# Altium PCB MB1364.PcbDoc (part 2 of 2)
Units mil, origin at the board's own origin, x right, y up, seen from the top; angles counter-clockwise.
Board outline 2755.91 x 5249.61 mil, 6 copper layers (Top Layer, Signal Layer 1, Signal Layer 2, Signal Layer 3, Signal Layer 4, Bottom Layer), stack 61.818 mil thick; 57 components, 135 nets, 293 pads, 247 vias.
Unrouted connection lines stored in the file: 2.
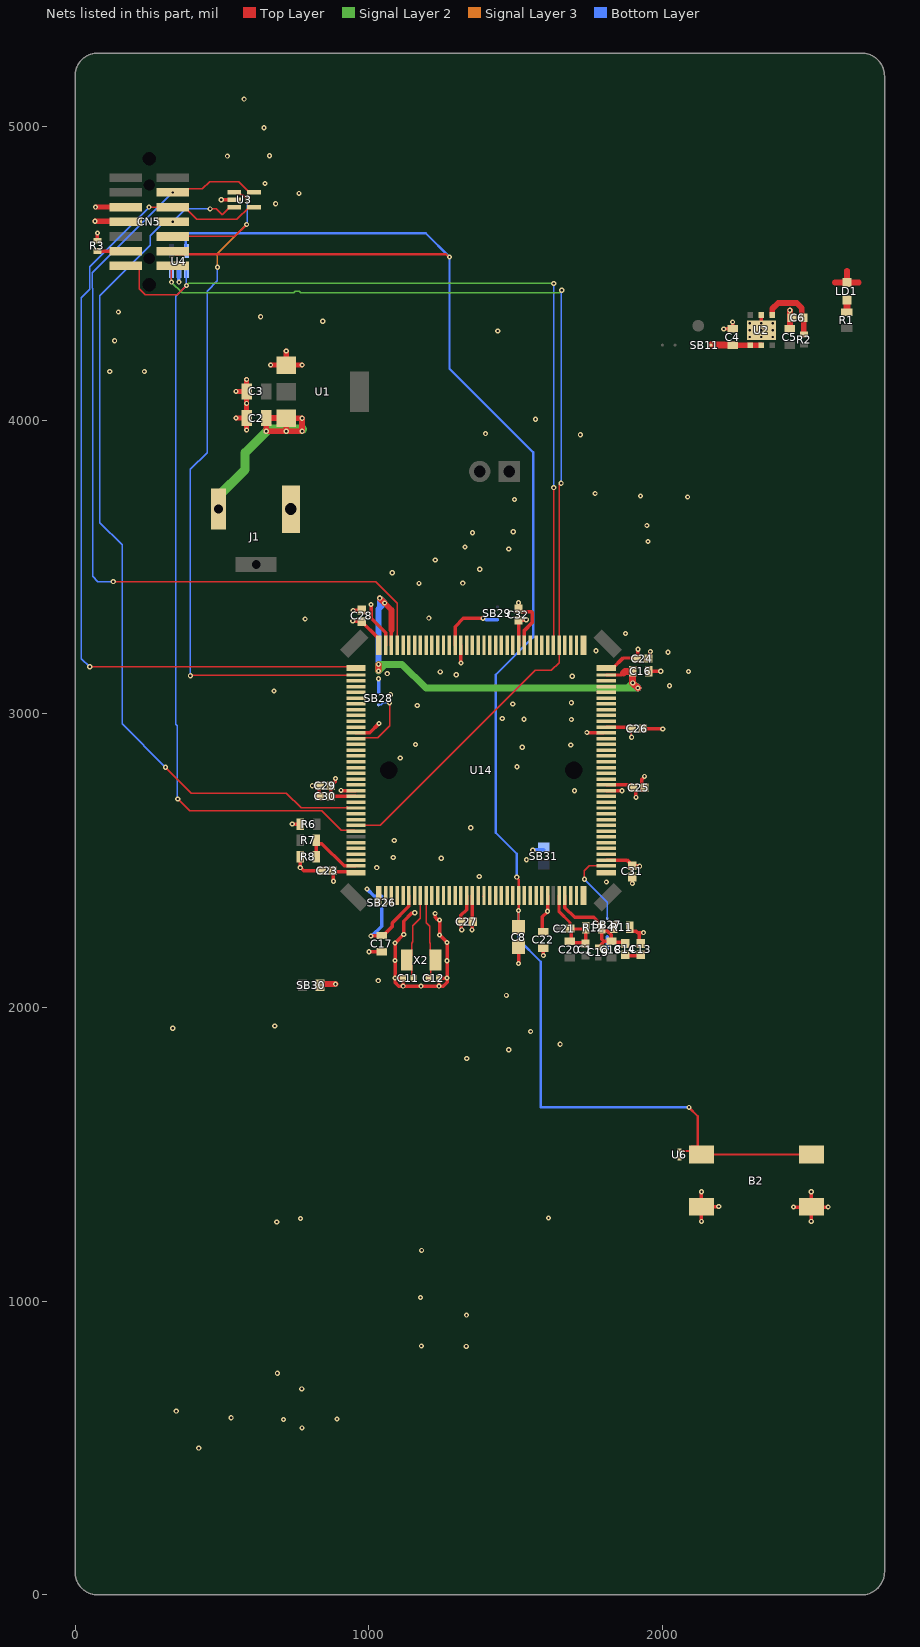
[diagram p5: the nets of this part, all layers, seen from the top]

## Via types
v1: diameter 17.72, hole 7.87, Top Layer to Bottom Layer, tented both sides, 247 vias

## Nets (pads, with @x,y where several pads share a name; then routed paths per layer and width w, separated by ;. In a path a pad name is that pad's centre, name@x,y a point inside that pad or via, vN(x,y) a via of type N, cw(c..) or ccw(c..) an arc to the next point about the centre after c; other vN are vias at no path point) (continued)
GND: B2.3 B2.4 C2.1 C3.1 C4.1 C5.1 C6.1 C8.1 C11.2 C12.2 C13.1 C14.1 C16.1 C17.1 C22.1 C23.1 C24.1 C25.1 C26.1 C27.1 C28.1 C29.1 C30.1 C31.1 C32.1 CN5.5 CN5.7 J1.1 LD1.2 R3.1 R6.2 R8.2 SB27.2 SB31.1 U1.1 U2.2 U2.EP U3.2 U4.2 U6.2 U14.16 U14.51 U14.61 U14.83 U14.94 U14.107 U14.120 U14.130 | length 3654.9
  Top Layer w11.81: R3.1@76.42,4610.39 v1(76.42,4636.96) ; v1(497.68,4750.15) U3.2@541.97,4750.15 ; v1(739.83,2624.65) R6.2@767.39,2624.65 ; R8.2@766.73,2513.78 v1(766.73,2476.38) 768.33,2476.38 778.71,2466 C23.1@834.2,2466 ; v1(808.07,2754.92) C29.1@832.09,2754.92 832.09,2720.08 C30.1@833.66,2718.5 ; v1(905.51,2739.17) 906.34,2738.34 U14.130@956.34,2738.34 ; v1(946.85,3351.38) 947.64,3352.17 975.59,3352.17 C28.1@976.38,3351.38 ; U14.120@956.34,2935.19 1003.19,2935.19 v1(1035,2967) ; v1(1000.98,2189.96) C17.1@1044.29,2189.96 ; v1(1007.87,3372.05) 1008.27,3371.65 1008.27,3324.98 1057.72,3275.53 U14.107@1057.72,3233.42 ; v1(1156.5,2322.83) 1155.37,2321.7 1146.44,2321.7 1118.9,2294.17 v1(1118.9,2248.82) v1(1089.57,2219.49) v1(1089.57,2159.94) v1(1089.57,2100.39) ; v1(1226,2320.03) 1226,2307.46 1234.11,2299.36 1240.01,2299.36 v1(1241.14,2298.23) v1(1241.14,2247.05) v1(1266.73,2221.46) v1(1266.73,2159.45) v1(1266.73,2100.39) ; C27.1@1313.88,2303.25 1313.88,2313.88 1333.31,2333.31 U14.16@1333.31,2381.06 ; v1(1314,3173) 1313.62,3173.38 U14.94@1313.62,3233.42 U14.94@1314,3233.42 ; v1(1316.34,2264.37) 1315.55,2265.16 1315.55,2291.93 C27.1@1323.82,2300.2 ; v1(1510,2150) 1510,2193.7 C8.1@1514.91,2198.61 ; v1(1510,3378) 1509.92,3377.92 1509.92,3356.18 1509.84,3356.1 1518.11,3347.83 1554.17,3347.83 1556.18,3345.82 1556.18,3311.7 1555.91,3311.42 1555.91,3309.36 1530.16,3283.62 U14.83@1530.16,3233.42 ; v1(1594.59,2176.81) C22.1@1594.59,2202.4 ; v1(1742.66,2936.08) U14.61@1799.84,2936.08 ; U14.51@1808.7,2738.34 1862.05,2738.34 v1(1862.2,2738.19) ; 1888.78,2176.96 C13.1@1924.21,2176.96 ; v1(1897.64,2422.24) C31.1@1897.64,2444.29 ; C25.1@1928.72,2742 1928.72,2775.12 1939,2785.4 v1(1939,2787) ; C26.1@1931.89,2949.02 1932,2948.9 2000.1,2948.9 v1(2001,2948) ; C24.1@1950.6,3188.19 1957.74,3195.33 1957.74,3210.68 v1(1958.87,3211.81) ; C16.1@1953.74,3144.68 v1(1994.09,3144.68) ; v1(2132.79,1271.89) B2.3@2132.79,1322.37 ; v1(2132.79,1372.85) B2.3@2132.79,1322.37 ; v1(2191.56,1322.37) B2.3@2132.79,1322.37 ; v1(2208.31,4310.19) C4.1@2238.82,4310.19 v1(2238.82,4333.81) ; v1(2336.26,4329.88) 2336.54,4330.15 U2.2@2336.54,4357.32 ; v1(2446.31,1320.65) 2505.08,1320.65 B2.4@2506.8,1322.37 v1(2506.8,1372.85) ; v1(2506.8,1271.89) 2506.8,1320.65 v1(2563.85,1320.65) ; v1(1089.57,2100.39) 1089.57,2085.63 1102.36,2072.83 v1(1117.13,2072.83) ; v1(1089.57,2100.39) C11.2@1117.13,2100.39 v1(1117.13,2072.83) ; v1(1117.13,2072.83) v1(1178.15,2072.83) v1(1239.17,2072.83) ; v1(1239.17,2072.83) C12.2@1239.17,2100.39 v1(1266.73,2100.39) ; v1(1239.17,2072.83) 1253.94,2072.83 1266.73,2085.63 v1(1266.73,2100.39)
  Top Layer w17.72: v1(68,4677) 170.75,4677 CN5.7@172.8,4674.96 ; v1(70,4725) 172.75,4725 CN5.5@172.8,4724.96 ; v1(547.87,4007.04) 584.1,4007.04 C2.1@584.29,4006.85 ; v1(547.87,4097.59) 584.1,4097.59 C3.1@584.29,4097.4 ; v1(584.29,3966.31) C2.1@584.29,4006.85 ; v1(584.29,4137.95) C3.1@584.29,4097.4 ; v1(665.98,4187.16) U1.1@719.13,4187.16 ; v1(719.13,4235.39) U1.1@719.13,4187.16 ; v1(773.27,4187.16) U1.1@719.13,4187.16 ; C2.1@584.29,4006.85 v1(584.29,4056.86) C3.1@584.29,4097.4
  Top Layer w19.68: C5.1@2433.7,4310.19 v1(2433.7,4374.17) ; 2587.44,4467.99 LD1.2@2627.8,4467.99 ; 2627.8,4508.34 LD1.2@2627.8,4467.99 ; 2668.15,4467.99 LD1.2@2627.8,4467.99
  Bottom Layer w11.81: v1(353.98,4469.64) U4.2@353.98,4508.03 ; v1(1558.07,2535.43) 1559.2,2536.56 SB31.1@1595.33,2536.56 ; v1(1807.66,2197.49) 1808.79,2198.62 1810.76,2198.62 1811.59,2199.46 1811.59,2240.8
  other v1: 421.26,500 772.64,568.9 709.65,597.44 891.73,599.41 531.5,603.35 344.49,625.98 771.65,701.77 688.98,754.92 1331.69,846.46 1179.13,847.44 1332.68,952.76 1176.18,1012.8 1180.12,1173.23 687.01,1269.68 767.72,1281.5 1612.2,1283.46 1333.66,1826.77 1476.38,1856.3 1651.57,1875 1551.18,1918.31 332.68,1929.13 680.12,1937.01 1468.5,2041.34 1032.48,2091.54 1809.06,2427.17 1375.98,2445.87 1027.56,2476.38 1537.4,2502.95 1247.05,2507.87 1083.66,2510.83 1086.61,2568.9 1347.44,2612.2 1700.79,2738.19 1504.92,2819.88 1107.28,2849.41 1522.64,2885.83 1687.99,2893.7 1159.45,2895.67 1528.54,2981.3 1689.96,2980.32 1454.72,2984.25 1165.35,3028.54 1490.16,3033.46 1689.96,3037.4 1073.82,3064.96 677.17,3077.76 2023.62,3095.47 1692.91,3127.95 1298.23,3132.87 1062.99,3136.81 1243.11,3142.72 2088.58,3143.7 2018.7,3209.65 1773.62,3214.57 1874.02,3273.62 783.46,3322.83 1204.72,3325.79 1171.26,3443.9 1319.88,3444.88 1079.72,3480.32 1377.95,3492.13 1226.38,3523.62 1476.38,3561.02 1327.76,3567.91 1950.79,3586.61 1353.35,3616.14 1492.13,3620.08 1946.85,3640.75 1496.06,3729.33 2085.63,3738.19 1925.2,3741.14 1770.67,3750 1720.47,3949.8 1397.64,3953.74 1568,4003 118.11,4165.35 236.22,4165.35 134.84,4269.68 2296.89,4282.63 2336.26,4282.63 2375.63,4282.63 1438.98,4303.15 2296.89,4306.25 2336.54,4306.14 2375.63,4306.25 2296.89,4329.88 2375.63,4329.88 843.5,4336.61 631.89,4351.38 147.64,4368.11 683.07,4736.22 762.8,4771.65 646.65,4805.12 518.7,4898.62 662.4,4899.61 643.7,4995.08 575.79,5092.52
GNDDetect: CN5.11 R3.2 | length 96.4
  Top Layer w11.81: R3.2@76.42,4574.96 CN5.11@172.8,4574.96
IOREF: 
NetC4_2: C4.2 SB11.1 U2.4 U2.5 | length 171.6
  Top Layer w17.72: C4.2@2238.82,4255.07 2238.88,4255.01 2299.13,4255.01 U2.4@2299.13,4254.96 U2.5@2336.54,4254.96
  Top Layer w23.62: SB11.1@2165,4255.07 C4.2@2238.82,4255.07
NetC6_2: C6.2 R2.1 U2.1 | length 232.1
  Top Layer w19.68: U2.1@2373.94,4357.32 2373.94,4378.94 2393.85,4398.85 2457.15,4398.85 2474.17,4381.83 2474.17,4352.33 2480.65,4345.86 2480.65,4291.91 R2.1@2483,4291.91
NetLD1_1: LD1.1 R1.1 | length 41.3
  Top Layer w23.62: R1.1@2627.8,4367.59 LD1.1@2627.8,4408.93
NetR7_1: R7.1 R8.1 U14.143 | length 227.8
  Top Layer w11.81: R8.1@821.85,2513.78 R7.1@821.85,2568.9 821.85,2564.9 828.54,2558.21 840.35,2558.21 916.13,2482.44 U14.143@956.34,2482.44
NetSB27_1: SB27.1 U14.38 | length 275.9
  Top Layer w5: v1(1734.25,2437.01) 1734.25,2465.25 1751.44,2482.44 U14.38@1808.7,2482.44
  Bottom Layer w5: v1(1734.25,2437.01) 1812.01,2359.25 SB27.1@1812.01,2303.15
NetSB28_2: SB28.2 U14.121 | length 250.7
  Top Layer w5: U14.121@956.34,2915.51 959.75,2918.91 1029.91,2918.91 1070.87,2959.87 v1(1070.87,3037.4)
  Bottom Layer w5: SB28.2@1033.46,3030.51 1034.42,3031.47 1042.15,3031.47 1048.08,3037.4 v1(1070.87,3037.4)
NetSB29_2: SB29.2 U14.95 | length 220.7
  Top Layer w11.81: U14.95@1293.94,3233.42 1293.94,3296.94 1321.8,3324.8 v1(1388.78,3324.8)
  Bottom Layer w11.81: v1(1388.78,3324.8) 1389.91,3323.67 1397.78,3323.67 1400.59,3320.87 SB29.2@1437.99,3320.87
NRST: B2.1 B2.2 C8.2 CN5.12 U4.5 U6.1 U14.25 | length 6288.8
  Top Layer w5: B2.1@2120,1526.96 2098.3,1526.96 2113.41,1511.84 B2.1@2125.72,1499.54
  Top Layer w7.87: CN5.12@332.8,4574.96 343.43,4564.33 1263.01,4564.33 1272.34,4555 v1(1275,4555) ; v1(1503.94,2443.9) 1503.94,2441.23 1510.47,2434.7 U14.25@1510.47,2381.06 1510.24,2380.82 1510.24,2330.24 v1(1510,2330) C8.2@1510,2276.89 ; U6.1@2057.8,1511.84 2113.41,1511.84 2120.48,1511.84 B2.1@2132.79,1499.54 B2.2@2506.8,1499.54 ; v1(2090,1660) 2120,1630 B2.1@2120,1526.96
  Bottom Layer w7.87: U4.5@379.57,4574.96 376.89,4577.63 376.89,4629.58 383.47,4636.16 1193.84,4636.16 v1(1275,4555) 1275,4175 1560,3890 1560,3260.96 1432.28,3133.24 1432.28,2595.11 1503.94,2523.45 v1(1503.94,2443.9) ; v1(1510,2330) 1510,2231.29 1585.43,2155.86 1585.43,1660.43 1585,1660 v1(2090,1660)
PA0: U14.34
PA1: U14.35
PA2: U14.36
PA3: U14.37
PA4: U14.40 | length 26.6
  Top Layer w5: U14.40@1782.13,2521.81 U14.40@1808.7,2521.81
PA5: U14.41 | length 2.3
  Top Layer w5: U14.41@1807.1,2539.89 U14.41@1808.7,2541.49
PA6: U14.42 | length 2.2
  Top Layer w5: U14.42@1808.7,2561.18 U14.42@1810.29,2559.59
PA7: U14.43 | length 0.1
  Top Layer w5: U14.43@1808.7,2580.86 U14.43@1808.78,2580.79
PA8: U14.100
PA9: U14.101
PA10: U14.102
PA11: U14.103
PA12: U14.104
PA13: CN5.4 U3.5 U14.105 | length 2985.8
  Top Layer w5: v1(130,3450) 1024,3450 1097.09,3376.91 U14.105@1097.09,3233.42 ; CN5.4@292.44,4774.96 v1(332.8,4774.96) 344.86,4787.02 433.02,4787.02 458,4812 556.89,4812 593.15,4775.74 U3.5@608.9,4775.74
  Bottom Layer w5: v1(130,3450) 77.75,3450 59.76,3467.99 59.76,4448.77 59.35,4449.18 59.35,4501.51 v1(332.8,4774.96)
PA14: CN5.6 U3.4 U14.109 | length 2974.3
  Top Layer w5: v1(50,3160) 945.99,3160 949,3163.01 U14.109@956.34,3155.66 ; v1(252.01,4724.96) CN5.6@332.8,4724.96 373.15,4724.96 415.22,4682.89 551.48,4682.89 593.15,4724.56 U3.4@608.9,4724.56
  Bottom Layer w5: v1(50,3160) 22,3188 22,4417.14 49.63,4444.76 49.35,4445.04 49.35,4522.3 v1(252.01,4724.96)
PA15: CN5.10 U3.1 U14.110 | length 2591.1
  Top Layer w5: CN5.10@332.8,4624.96 543.74,4624.96 v1(584.29,4665.51) ; v1(392.82,3129.82) 393.93,3130.93 955.23,3130.93 U14.110@956.34,3132.04 ; U3.1@541.97,4775.74 557.72,4775.74 568.21,4765.25 573.13,4765.25 v1(587.24,4751.14)
  Signal Layer 3 w5: v1(485,4520) 485,4566.22 v1@585.03,4666.24
  Bottom Layer w5: v1(392.82,3129.82) 392.82,3832.05 450,3889.22 450,4439.31 485,4474.31 v1(485,4520) ; v1(584.29,4665.51) 585.77,4666.98 585.77,4749.66 v1(587.24,4751.14)
PB0: U14.46
PB1: U14.47
PB2: U14.48
PB4: U14.134
PB5: U14.135 | length 0.6
  Top Layer w5: U14.135@956.34,2639.92 U14.135@956.76,2640.33
PB8: U14.139
PB9: U14.140
PB10: U14.69
PB11: U14.70
PB12: U14.73
PB13: U14.74
PB14: U14.75
PB15: U14.76
PC0: U14.26
PC1: U14.27
PC2: U14.28
PC3: U14.29
PC4: U14.44
PC5: U14.45
PC6: U14.96
PC7: U14.97
PC8: U14.98
PC9: U14.99
PC10: U14.111
PC11: U14.112 | length 26.6
  Top Layer w5: U14.112@956.34,3092.67 U14.112@982.91,3092.67
PC12: U14.113
PC13: U14.7
PC14-OSC32_IN: C11.1 U14.8 X2.2 | length 309.9
  Top Layer w5: C11.1@1152.56,2100.39 1146.12,2106.83 1146.12,2144.23 X2.2@1128.94,2161.42 1146.12,2178.6 1146.12,2218.96 1150.59,2223.43 1150.59,2278.54 1175.83,2303.78 U14.8@1175.83,2381.06
PC15-OSC32_OUT: C12.1 U14.9 X2.1 | length 303.6
  Top Layer w5: U14.9@1195.51,2381.06 1195.51,2288.64 1207.94,2276.21 1207.94,2223.43 1207.94,2221.19 1210.18,2218.96 1210.18,2178.6 X2.1@1227.36,2161.42 1211.02,2145.08 1211.02,2107.68 C12.1@1203.74,2100.39
PD0: U14.114
PD1: U14.115
PD2: U14.116
PD3: U14.117
PD4: U14.118
PD5: U14.119
PD6: U14.122
PD7: U14.123
PD10: U14.79
PD11: U14.80
PD12: U14.81
PD13: U14.82
PD14: U14.85
PD15: U14.86
PE0: U14.141
PE1: U14.142 | length 26.6
  Top Layer w5: U14.142@929.76,2502.12 U14.142@956.34,2502.12
PE2: U14.1 | length 22.6
  Top Layer w5: U14.1@1034.1,2358.42 U14.1@1034.1,2381.06
PE3: U14.2
PE4: U14.3
PE5: U14.4
PE6: U14.5
PE7: U14.58
PE8: U14.59
PE9: U14.60
PE10: U14.63
PE11: U14.64
PE12: U14.65
PE13: U14.66
PE14: U14.67
PE15: U14.68
PF0: U14.10
PF1: U14.11 | length 0.2
  Top Layer w5: U14.11@1234.88,2381.06 U14.11@1235.06,2381.23
PF2: U14.12
PF3: U14.13
PF4: U14.14
PF5: U14.15
PF6: U14.18
PF7: U14.19 | length 4.8
  Top Layer w5: U14.19@1388.96,2377.65 U14.19@1392.36,2381.06
PF8: U14.20 | length 3.6
  Top Layer w5: U14.20@1409.49,2378.5 U14.20@1412.05,2381.06
PF9: U14.21 | length 3.3
  Top Layer w5: U14.21@1429.37,2378.69 U14.21@1431.73,2381.06
PF10: U14.22 | length 2.4
  Top Layer w5: U14.22@1449.71,2379.35 U14.22@1451.42,2381.06
PF11: U14.49
PF12: U14.50
PF13: U14.53
PF14: U14.54
PF15: U14.55
PG0: U14.56 | length 26.6
  Top Layer w5: U14.56@1782.13,2836.77 U14.56@1808.7,2836.77
PG1: U14.57 | length 26.6
  Top Layer w5: U14.57@1782.13,2856.45 U14.57@1808.7,2856.45
PG2: U14.87
PG3: U14.88
PG4: U14.89
PG5: U14.90
PG6: U14.91
PG7: U14.92
PG8: U14.93
PG9: U14.124
PG10: U14.125 | length 3.4
  Top Layer w5: U14.125@956.34,2836.77 U14.125@958.72,2834.38
PG11: U14.126 | length 26.6
  Top Layer w5: U14.126@929.76,2817.08 U14.126@956.34,2817.08
PG12: U14.127 | length 26.6
  Top Layer w5: U14.127@929.76,2797.4 U14.127@956.34,2797.4
PG13: U14.128 | length 26.6
  Top Layer w5: U14.128@929.76,2777.71 U14.128@956.34,2777.71
PG14: U14.129
PG15: U14.132
PH0-OSC_IN: U14.23
PH1-OSC_OUT: U14.24
T_SWO: CN5.8 U3.3 U14.133 | length 3024.1
  Top Layer w5: v1(308.07,2817.91) 395.98,2730 719.68,2730 769.68,2680 923.67,2680 926.36,2682.69 929.76,2679.29 U14.133@956.34,2679.29 ; v1(460,4719) 480.6,4719 500.63,4698.97 526.22,4724.56 U3.3@541.97,4724.56
  Bottom Layer w5: v1(308.07,2817.91) 160,2965.98 160,3575 84.29,3650.71 84.29,4423.13 255.55,4594.39 255.55,4627.12 303.39,4674.96 v1(332.8,4674.96) 376.84,4719 v1(460,4719)
T_VCP_RX: CN5.13 U4.1 U14.78 U14.137 | length 5252.2
  Top Layer w5: CN5.13@172.8,4524.96 206.93,4524.96 219,4512.89 219,4446.59 238.8,4426.79 348.52,4426.79 v1(379.57,4457.83) ; v1(350,2710) 390,2670 840,2670 906.05,2603.95 952.93,2603.95 U14.137@956.34,2600.55 ; U14.78@1628.58,3233.42 1629.29,3234.13 1629.29,3769.29 v1(1630,3770)
  Signal Layer 2 w5: v1(379.57,4457.83) 386.74,4465 v1(1630,4465)
  Bottom Layer w5: v1(350,2710) 348.35,2711.65 348.35,2959.62 343.58,2964.38 343.58,2964.58 343.31,2964.85 343.31,4421.57 v1(379.57,4457.83) U4.1@379.57,4508.03 ; v1(1630,3770) v1(1630,4465)
T_VCP_TX: CN5.14 U4.3 U14.77 U14.136 | length 3637.3
  Top Layer w5: v1(328.39,4469.64) 328.39,4520.15 CN5.14@332.99,4524.76 ; U14.136@956.34,2620.23 1039.23,2620.23 1566.97,3147.97 1621.97,3147.97 1648.27,3174.27 U14.77@1648.27,3233.42 1649.13,3234.29 1649.13,3779.13 v1(1655,3785)
  Signal Layer 2 w5: v1(328.39,4469.64) 365.03,4433 744.01,4433 749.76,4438.75 763.31,4438.75 769.07,4433 1648,4433 v1(1656.75,4441.75)
  Bottom Layer w5: v1(328.39,4469.64) U4.3@328.39,4508.03 ; v1(1655,3785) v1@1655,4440
VBAT: C17.2 SB26.1 U14.6 | length 322.9
  Top Layer w11.81: v1(1007.34,2243.41) 1009.47,2243.41 v1@1011.25,2245.19 ; v1@1012.79,2245.13 1044.24,2245.13 C17.2@1044.29,2245.08 1049.21,2245.08 1079.92,2275.79 1079.92,2287.6 1136.46,2344.14 U14.6@1136.46,2381.06
  Bottom Layer w11.81: v1(1007.34,2243.41) 1011.07,2243.41 1044.29,2276.63 SB26.1@1044.29,2335.63
VCAP: C16.2 U14.71 U14.106 | length 1796.2
  Top Layer w11.81: U14.106@1077.4,3233.42 1077.4,3284.8 ; U14.71@1808.7,3132.04 1860.39,3132.04 1867.13,3138.78
  Top Layer w19.68: v1@1033.46,3146.65 v1(1033.46,3168.31) ; v1(1037.4,3393.7) 1077.4,3353.7 1077.4,3284.8
  Top Layer w23.62: 1867.13,3138.78 1873.03,3144.68 C16.2@1898.62,3144.68 v1(1898.62,3105.32) v1(1916.34,3087.6)
  Signal Layer 2 w19.68: v1(1037.4,3393.7) v1(1054.13,3376.97)
  Signal Layer 2 w23.62: 1056.1,3168.31 v1(1033.46,3145.67) v1(1033.46,3168.31) 1056.1,3168.31 ; 1056.1,3168.31 1113.69,3168.31 1194.4,3087.6 1880.91,3087.6 ; 1880.91,3087.6 v1(1916.34,3087.6) v1(1898.62,3105.32) 1880.91,3087.6
  Signal Layer 3 w19.68: v1(1033.46,3145.67) v1(1033.46,3168.31) ; v1(1037.4,3393.7) v1(1054.13,3376.97)
  Signal Layer 3 w23.62: v1(1898.62,3105.32) v1(1916.34,3087.6)
  Bottom Layer w19.68: v1(1033.46,3145.67) 1033.46,3356.3 1037.4,3360.24 ; 1037.4,3360.24 v1(1037.4,3393.7) v1(1054.13,3376.97) 1037.4,3360.24
  Bottom Layer w23.62: v1(1898.62,3105.32) v1(1916.34,3087.6)
VDD_MCU: C13.2 C22.2 C23.2 C24.2 C25.2 C26.2 C27.2 C28.2 C29.2 C30.2 C31.2 C32.2 R11.1 SB26.2 SB28.1 SB30.2 U14.17 U14.30 U14.39 U14.52 U14.62 U14.72 U14.84 U14.108 U14.131 U14.144 | length 1512
  Top Layer w5: SB30.2@833.66,2075.79 SB30.2@837.6,2079.72 ; C26.2@1894.09,2949.8 1894.09,2920.91 v1(1895,2920)
  Top Layer w11.81: C23.2@873.22,2462.41 C23.2@880,2462.41 ; v1(880,2430) 878.87,2431.13 878.87,2461.28 C23.2@880,2462.41 ; v1(886.81,2779.53) 885.68,2778.4 885.68,2769.15 870.67,2754.13 870.67,2720.08 869.25,2718.66 U14.131@956.34,2718.66 ; v1(945.87,3315.94) 946.65,3315.16 974.8,3315.16 1029.97,3259.99 1030.16,3259.99 1034.1,3256.06 U14.108@1034.1,3233.42 ; U14.144@956.34,2458.81 952.75,2462.41 C23.2@880,2462.41 ; v1(1351.77,2264.37) 1352.56,2265.16 1352.56,2291.14 C27.2@1351.77,2291.93 ; C27.2@1352.99,2300.54 U14.17@1352.99,2381.06 ; U14.84@1510.47,3233.42 1510.47,3319.25 1510.63,3319.09 1535.63,3319.09 v1(1536.42,3319.88) ; 1591,2272.3 1591,2308.61 1608.9,2326.51 U14.30@1608.9,2381.06 ; U14.39@1808.7,2502.12 1879.18,2502.12 1897.64,2483.66 C31.2@1897.64,2482.87 1898.43,2482.09 1921.46,2482.09 v1(1922.24,2481.3) ; U14.52@1808.7,2758.03 1888.89,2758.03 1895.67,2751.25 1897.24,2751.25 1908.76,2739.73 1908.76,2718.28 1910.02,2717.02 v1(1910.02,2715.43) ; U14.62@1808.7,2954.88 1889.32,2954.88 C26.2@1895.52,2948.67 ; U14.72@1808.7,3155.66 1831.34,3155.66 1865.64,3189.96 1895.67,3189.96 ; R11.1@1889.15,2272.96 1889.15,2265.87 1895.84,2259.18 1910.77,2259.18 1914.99,2254.96 ; C24.2@1914.17,3189.17 1915.32,3190.32 1915.32,3218.87 v1(1916.45,3220) ; C13.2@1920.22,2215.51 1920.22,2250.93 1916.18,2254.96 v1(1935.59,2254.96)
  Top Layer w19.68: SB30.2@837.6,2079.72 v1(886.81,2079.72)
  Bottom Layer w11.81: v1(994.09,2403.54) 1018.7,2378.94 SB26.2@1044.29,2378.94 ; SB28.1@1033.46,3073.82 v1(1033.46,3119.09)
  other v1: 1608.9,2328.11
VDDA: C14.2 C18.1 C19.2 R11.2 R12.1 U14.33 | length 407.2
  Top Layer w11.81: U14.33@1667.95,2381.06 1667.95,2340.05 1701.31,2306.69 1765.59,2306.69 1793.88,2278.4 R12.1@1793.88,2271.31 R12.1@1793.88,2267.32 ; C19.2@1782.07,2205.37 1783.05,2205.37 1791.12,2213.44 1791.12,2214.42 1801.75,2225.05 ; C18.1@1826.36,2225.05 1801.75,2225.05 ; C14.2@1869.17,2225.5 1865.32,2221.65 1835.67,2221.65 1830.79,2226.53 1830.59,2226.53 1825.37,2231.74 1825.37,2247.63 1812.38,2260.62 1800.57,2260.62 R12.1@1793.88,2267.32 ; R12.1@1793.88,2267.32 1793.88,2232.93 1801.75,2225.05
VIN: C2.2 J1.2 U1.3 | length 824.4
  Top Layer w19.68: v1@719.13,3962.75 U1.3@719.13,4006.06 ; U1.3@719.13,4006.06 718.34,4006.85 C2.2@651.22,4006.85 v1(651.22,3961.77) v1(773.27,3961.77) v1(773.27,4006.06) U1.3@719.13,4006.06
  Signal Layer 2 w31.5: J1.2@487,3707 487,3739.48 579.07,3831.55 579.07,3888.64 659.49,3969.05 v1@773.27,3969.05
  other v1: 719.13,3961.77
VREFP: C1.2 C20.1 C21.2 R12.2 U14.32 | length 329.2
  Top Layer w5: C21.2@1684.82,2268.93 C21.2@1685,2269.11
  Top Layer w10: U14.32@1648.27,2381.06 1648.27,2325.73 1685,2289 C21.2@1685,2269.11
  Top Layer w11.81: C20.1@1684.63,2225.05 C20.1@1686.2,2225.05 ; C20.1@1686.2,2225.05 1689.55,2225.05 1689.55,2267.32 R12.2@1738.27,2267.32 ; C20.1@1686.2,2225.05 1690.33,2220.92 1733.64,2220.92 1738.27,2225.54 R12.2@1738.27,2267.32 ; R12.2@1738.27,2267.32 1738.76,2267.81 R12.2@1738.76,2271.31 1738.27,2270.82 R12.2@1738.27,2267.32
pads on no net: CN5.0 CN5.1 CN5.2 CN5.9 J1.3 U2.3 U4.4 U14.0
copper on no net:
  other v1: 1665.98,1373.18 756.54,4422.4

## Polygon pours and split planes (outlines as drawn)
GND on Bottom Layer "NONET_L06_P112" (solid, remove dead copper, shelved, pour order 112): 866.56,3016.73 865.16,3018.13 865.16,3091.54 1042.49,3268.87 1057.72,3268.87 1057.72,2960.12 1191.57,2826.26 1191.57,1732.44 1071.5,1612.36 1071.5,1270.82 1095.12,1247.2 1140.39,1201.92 1140.39,372.2 1162.05,350.55 1312.01,350.55 1312.01,8.03 48.86,8.03 2.6,54.29 2.6,5188.14 64.61,5250.15 802.8,5250.15 804.76,5248.18 804.76,4256.06 786.06,4237.36 786.06,4165.51 751.61,4131.06 751.61,4058.22 735.87,4042.48 640.39,4042.48 621.69,4023.77 621.69,3956.06 646.5,3931.25 992.76,3931.25 993.74,3930.27 993.74,3515.9 896.4,3418.56 893.95,3418.56 594.49,3119.09 594.49,2892.72 613.19,2874.02 858.27,2874.02 866.56,2882.31
GND on Bottom Layer "NONET_L06_P116" (solid, remove dead copper, shelved, pour order 116): 797.87,5246.22 797.87,4262.95 804.76,4256.06 1013.43,4256.06 1033.11,4236.37 1033.11,3916.49 1049.84,3899.76 1416.97,3899.76 1483.27,3833.46 1483.27,3436.02 1436.02,3388.78 1168.79,3388.78 1157.13,3377.12 1018.35,3238.34 1018.34,2956.06 1168.93,2805.48 1168.94,2088.74 1152.2,2072 1152.2,1763.93 1168.94,1747.2 1308.7,1747.2 1330.35,1725.55 1330.35,1588.74 1298.86,1557.24 1227.99,1557.24 1211.26,1540.51 1211.26,1485.39 1311.65,1384.99 1311.65,2.12 2220.47,2.12 2696.5,2.12 2752.6,58.22 2752.6,5197 2703.39,5246.22 848.07,5246.22
VIN on Bottom Layer "NONET_L06_P084" (solid, remove dead copper, shelved, pour order 84): 649.25,4027.71 635.47,4013.93 635.47,3960.78 648.27,3947.99 780.16,3947.99 790,3957.83 790,4016.88 779.17,4027.71
5V on Bottom Layer "NONET_L06_P036" (solid, remove dead copper, shelved, pour order 36): 761.46,4124.17 798.86,4161.57 798.86,4231.45 812.64,4245.23 1008.5,4245.23 1023.27,4230.47 1023.27,3960.78 1009.49,3947 805.75,3947 797.87,3954.88 797.87,4031.65 770.32,4059.21 761.46,4068.07
3V3_VDD on Bottom Layer "NONET_L06_P080" (solid, remove dead copper, shelved, pour order 80): 603.35,2900.59 617.32,2886.61 835.43,2886.61 850.39,2901.57 850.39,3093.03 1040,3282.63 1143.35,3385.98 1175.67,3418.31 1456.69,3418.31 1456.69,3837.4 1408.11,3885.98 1033.11,3885.98 1019.33,3872.2 1019.33,3806.25 1025.24,3800.35 1068.54,3800.35 1080.35,3788.54 1080.35,3572.99 603.35,3095.98
VDD_MCU on Signal Layer 3 "NONET_L04_P012" (solid, remove dead copper, shelved, pour order 12): 1955.51,1970 1955.51,2234.47 1955.51,2905.86 1916.34,2945.03 1916.34,3161.42 1945.87,3190.94 1944.88,3191.93 1944.88,3235.24 1877.95,3302.17 1877.95,3703.74 1826.62,3755.07 860.87,3755.07 860.87,1970
3V3_VDD on Signal Layer 3 "NONET_L04_P078" (solid, remove dead copper, shelved, pour order 78): 825,3006.69 817.91,3013.78 687.01,3013.78 625,2951.77 625,2662.4 559.06,2597.59 559.06,2025 825,2025
GND on Signal Layer 3 "NONET_L04_P104" (solid, remove dead copper, shelved, pour order 104): 2319.39,1449.31 2318.9,1449.8 2014.76,1449.8 1978.35,1413.39 1978.35,719.49 2066.93,630.91 2068.54,597.44 2068.54,9.01 2073.46,4.09 2693.54,4.09 2754.57,65.11 2754.57,5192.08 2704.37,5242.28 1346.1,5242.28 1342.17,5238.34 1342.17,5216.69 1393.35,5165.51 2473.07,5165.51 2523.27,5115.31 2523.27,4907.63 2523.26,4442.55 2490.31,4409.6 1963.23,4409.6 1876.61,4496.22 1805.75,4496.22 1789.02,4479.48 1789.02,4343.66 1728.98,4283.62 1644.33,4283.62 1633.5,4272.79 1633.5,4261.96 1708.31,4187.16 1773.27,4187.16 1840.2,4120.23 1840.2,3962.75 1953.39,3849.56 1994.72,3849.56 2040,3894.84 2040,4219.64 2051.81,4231.45 2096.1,4231.45 2111.85,4215.7 2111.85,3802.32 2356.93,3557.24 2356.93,2850.55 2519.33,2688.14 2519.33,1649.25
GND on Signal Layer 3 "NONET_L04_P100" (solid, remove dead copper, shelved, pour order 100): 850.04,3207.77 849.41,3207.14 849.41,3051.18 826.77,3028.54 674.29,3028.54 673.76,3029.07 645.83,3001.14 602.36,2957.68 602.36,2674.21 543.31,2615.16 351.38,2615.16 317.91,2648.62 317.91,2827.45 317.55,2827.81 317.55,2922.39 396.3,3001.14 396.3,3085.78 431.73,3121.22 490.79,3121.22 510.47,3140.9 510.47,3255.07 495.71,3269.84 436.65,3269.84 402.2,3304.29 402.2,3591.69 230.94,3762.95 230.94,4499.17 200.43,4529.68 77.4,4529.68 62.64,4514.92 4.57,4514.92 4.57,5190.11 57.72,5243.26 615.79,5243.26 555.75,5183.22 555.75,4336.77 596.1,4296.41 596.1,4295.43 602.99,4288.54 1502.6,4288.54 1515.39,4275.74 1515.39,4164.52 1503.58,4152.71 1360.87,4152.71 1319.53,4111.37 1319.53,4069.05 1176.81,3926.33 1047.87,3926.33 1033.11,3941.1 1033.11,4236.37 1014.41,4255.07 804.76,4255.07 788.03,4238.34 788.03,4173.38 750.63,4135.98 750.63,4064.13 767.36,4047.4 767.36,4030.66 642.36,4030.66 633.5,4021.81 633.5,3847.59 591.18,3805.27 591.18,3686.18 626.61,3650.74 626.61,3591.69 666.97,3551.33 666.97,3473.58 700.43,3440.11 815.59,3440.11 850.04,3405.66 850.04,3338.74
GND on Signal Layer 3 "NONET_L04_P102" (solid, remove dead copper, shelved, pour order 102): 842.17,3789.52 856.93,3774.76 856.93,3589.72 848.07,3580.86 810.67,3580.86 766.38,3625.15 766.38,3765.9 790,3789.52
3V3 on Signal Layer 3 "NONET_L04_P070" (solid, remove dead copper, shelved, pour order 70): 2091.18,4221.61 2102.01,4210.78 2102.01,3815.11 2091.18,3804.29 1993.74,3804.29 1984.88,3813.14 1984.88,3824.96 2050.83,3890.9 2050.83,4212.75 2059.68,4221.61
5V on Signal Layer 3 "NONET_L04_P030" (solid, remove dead copper, shelved, pour order 30): 761.46,4124.17 798.86,4161.57 798.86,4231.45 812.64,4245.23 1008.5,4245.23 1023.27,4230.47 1023.27,3960.78 1009.49,3947 805.75,3947 797.87,3954.88 797.87,4031.65 770.32,4059.21 761.46,4068.07
VIN on Signal Layer 3 "NONET_L04_P032" (solid, remove dead copper, shelved, pour order 32): 779.17,3947 789.02,3956.85 789.02,4015.9 784.09,4020.82 646.3,4020.82 640.39,4014.92 640.39,3953.89 647.28,3947
GND on Top Layer "NONET_L01_P114" (solid, remove dead copper, shelved, pour order 114): 61.95,5249.61 4.43,5192.09 4.42,4237.36 793.8,4237.36 813.48,4257.05 1018.2,4257.05 1047.73,4227.52 1047.73,3951.93 1023.13,3927.32 641.24,3927.32 606.79,3961.77 545.76,3961.77 545.76,4237.36 4.43,4237.37 4.43,64.13 68.56,0 1392.22,0 1471.21,0.01 2686.35,0 2750.49,64.13 2750.49,4207.83 2366.63,4207.83 2346.94,4227.52 2346.94,4276.73 2356.79,4286.57 2484.74,4286.57 2484.74,4404.68 2465.06,4424.37 2387.64,4424.37 2356.79,4455.22 2356.79,4545 2671.75,4545 2671.75,4237.36 2661.91,4227.52 2661.91,4217.68 2750.49,4217.68 2750.49,5192.09 2692.96,5249.61
5V on Top Layer "NONET_L01_P038" (solid, remove dead copper, shelved, pour order 38): 2373.66,4545 2373.66,4460 2396.51,4437.16 2477.99,4437.16 2508.5,4406.65 2508.5,4276.73 2502.6,4270.82 2368.74,4270.82 2361.85,4263.93 2361.85,4234.4 2373.66,4222.59 2642.36,4222.59 2664.02,4244.25 2664.01,4545
GND on Top Layer "NONET_L01_P022" (solid, remove dead copper, shelved, pour order 22): 1724.06,5248.18 1724.06,4987.36 1679.76,4943.07 1284.09,4943.07 1259.49,4918.46 1259.49,4849.56 1293.94,4815.11 1997.68,4815.11 2140.4,4957.83 2140.39,5248.18
5V on Top Layer "NONET_L01_P028" (solid, remove dead copper, shelved, pour order 28): 633.5,4139.92 622.68,4129.09 622.68,4069.05 633.5,4058.22 786.06,4058.22 798.86,4045.43 798.86,3955.86 806.73,3947.99 1009.49,3947.99 1022.28,3960.78 1022.28,4229.48 1007.52,4244.25 812.64,4244.25 798.86,4230.47 798.86,4151.73 787.05,4139.92
GND on Top Layer "NONET_L01_P024" (solid, remove dead copper, shelved, pour order 24): 611.85,3956.85 602.99,3947.99 546.89,3947.99 538.03,3956.84 538.03,4229.48 552.79,4244.25 786.06,4244.25 786.06,4157.63 777.2,4148.77 622.68,4148.77 611.85,4137.95
VIN on Top Layer "NONET_L01_P026" (solid, remove dead copper, shelved, pour order 26): 631.54,4048.38 622.68,4039.52 622.68,3956.85 631.54,3947.99 780.16,3947.99 788.03,3955.86 788.03,4039.52 779.17,4048.38
GND on Signal Layer 2 "NONET_L03_P096" (solid, remove dead copper, shelved, pour order 96): 1049.84,3968.5 1053.78,3972.44 1354.33,3972.44 1436.61,3890.16 1436.61,3567.52 1321.28,3452.19 1192.97,3452.5 1192.4,3451.92 712.24,3451.92 693.54,3433.22 693.54,3400.74 714.21,3380.07 940.59,3380.07 1092.17,3228.5 1643.35,3228.5 2735.97,3228.35 2740.33,3224.96 2753.58,3211.71 2755.9,78.74 2686.35,0 67.91,-2.45 1.38,64.08 4.57,4127.12 8.5,4131.06 294.92,4131.06 344.51,4081.47 409.44,4081.47 409.44,4013.58 481.93,3941.1 1020.32,3941.1 1049.84,3970.62
VDD_MCU on Signal Layer 2 "NONET_L03_P088" (solid, remove dead copper, shelved, pour order 88): 715.2,3439.13 705.35,3429.29 705.35,3404.68 719.13,3390.9 952.4,3390.9 1100.04,3243.26 1637.44,3243.26 1660.08,3265.9 1660.08,3358.42 1639.41,3379.09 1255.55,3379.09 1195.51,3439.13
GND on Signal Layer 2 "NONET_L03_P092" (solid, remove dead copper, shelved, pour order 92): 78.74,5249.61 78.19,5250.15 61.02,5250.15 -0.35,5188.78 -0.35,4626.14 6.54,4619.25 36.06,4619.25 172.87,4756.06 942.56,4756.06 1039.02,4659.6 1411.06,4659.6 1636.46,4884.99 1891.38,4884.99 2000.63,4994.25 2486.07,4994.25 2677.15,4803.14 2677.15,4489.16 2600.54,4412.55 2748.66,4412.55 2748.66,5197 2696.5,5249.17
VIN on Signal Layer 2 "NONET_L03_P082" (solid, remove dead copper, shelved, pour order 82): 489.8,4097.59 473.07,4097.59 440.59,4065.11 440.59,4003.11 494.72,3948.97 776.22,3948.97 787.05,3959.8 787.05,4026.73 762.44,4051.33 716.37,4097.4 682.72,4097.4
5V on Signal Layer 2 "NONET_L03_P034" (solid, remove dead copper, shelved, pour order 34): 762.44,4125.15 799.84,4162.55 799.84,4232.44 813.62,4246.22 1009.49,4246.22 1024.25,4231.45 1024.25,3961.77 1010.47,3947.99 806.73,3947.99 798.86,3955.86 798.86,4032.63 771.3,4060.19 762.44,4069.05
GND on Signal Layer 2 "NONET_L03_P094" (solid, remove dead copper, shelved, pour order 94): 3.58,4461.77 15.39,4461.77 58.7,4418.46 164.02,4418.46 222.09,4476.53 1522.28,4476.53 1776.22,4730.47 2307.92,4730.47 2355.31,4683.07 2355.31,4472.43 2380.9,4446.84 2735.07,4446.86 2750.63,4431.3 2750.63,3223.58 1697.48,3223.58 1667.95,3253.1 1667.95,3289.72 1667.95,3363.34 1644.33,3386.96 1258.5,3386.96 1071.85,3573.62 1071.85,4204.52 1012.44,4263.93 806.73,4263.93 783.11,4240.31 783.11,4166.49 727.01,4110.39 462.24,4110.39 421.89,4070.03 421.89,3957.83 415.98,3951.92 13.43,3951.92 3.58,3961.77
GND on Signal Layer 4 "NONET_L05_P050" (solid, remove dead copper, shelved, pour order 50): 1392.46,3.11 2107.91,3.11 2107.91,2.12 2109.88,3.11 2698.46,3.11 2750.63,55.27 2750.63,5190.11 2695.51,5245.23 70.51,5246.22 59.68,5246.22 1.61,5188.14 1.61,64.13 62.64,3.11

## Silkscreen, mask and mechanical layers (free items; w line width, h text height)
Top Overlay:
  circle w10: c1372.1,439.45 r196.85
  circle w3.94: c1372.1,439.45 r183.58
  lines w3.94: 1312.1,532.45 1342.1,502.45 1372.1,522.45 1332.1,472.45 1392.1,502.45 1352.1,452.45 1412.1,482.45 1372.1,432.45 1432.1,462.45 1392.1,412.45 1452.1,442.45 1432.1,412.45 1462.1,382.45
  lines w5: 1661,2150.25 1799.78,2150.25 ; 1799.78,2300.84 1799.78,2301.82 ; 1800.2,2320.87 1815.94,2336.61 1821.85,2336.61 ; 1910,4570 2727.77,4570 2727.77,4100 1911,4100 1911,4249.16 1911,4570
  lines w10: 1292.1,537.45 1332.1,537.45 ; 1312.1,532.45 1312.1,382.45 1462.1,382.45 ; 1467.1,362.45 1467.1,402.45
  text "RX" at 27.8,4499.96 h39.37
  text "TX" at 409.09,4499.96 h39.37
  text "MIPI10" at 170.3,4378.89 h39.37
  text "3V3" at 2076.75,4360.79 h39.37
  text "5V" at 2488.19,4327.48 h39.37
  text "PWR" at 2485.24,4264.49 h39.37
  text "5V_VIN" at 1016.68,4085.38 h39.37
  text "VIN" at 685,3915 h39.37
  text "3V3" at 1400,3895 h39.37
  text "IDD" at 1573.82,3803.15 h39.37
  text "RESET" at 2237.29,1239.67 h39.37
  text "MCU-001" at 1172.1,835.95 h50
  text "REV A" at 1172.1,764.45 h50
  text "ZLS Corp" at 1172.1,689.45 h50
  text "ZLS" at 1332.1,319.45 h47.24
Bottom Overlay:
  text "CN8" at 533.36,3658.83 h39.37
  text "CN9" at 537.28,2753.97 h39.37
M1-Board Shape:
  lines w3.94: 0,5170.87 0,78.74 ccw(c78.74,78.74) 78.74,0 1471.2,0 ; 78.74,5249.61 2677.16,5249.61 cw(c2677.16,5170.87) 2755.9,5170.87 2755.9,78.74
Drill Drawing:
  drawing of 395 lines, arcs and shapes, not listed
  text "THE COMPONENTS WITH PLATED THROUGH HOLE (PTH) MAY BE WELDED (CABLED) IN \"PIN-IN-PASTE\" MODE (IF NECESSARY)" at 40.35,7222.44 h137.8
  text "PCB SPECIFICATIONS :" at 81.14,6940.11 h118.11
  text "PCB : TYPE 3" at 5924.12,6930.97 h118.11
  text "A.   MATERIAL :" at 81.14,6782.63 h118.11
  text "FR-4" at 1596.89,6782.63 h118.11
  text "TG-170" at 2246.5,6782.63 h118.11
  text "TG-150" at 2965,6782.63 h118.11
  text "TG-140" at 3594.92,6782.63 h118.11
  text "ASPECT-RATIO, AXE Z :" at 5924.12,6714.43 h118.11
  text "B.   MATERIAL FAMILY :" at 81.14,6664.52 h118.11
  text "N/A" at 1596.89,6664.52 h118.11
  text "C.   SOLDERMASK COLOR :" at 81.14,6546.41 h118.11
  text "GREEN" at 1596.89,6546.41 h118.11
  text "X  BLUE" at 2246.5,6546.41 h118.11
  text "RED" at 2965,6546.41 h118.11
  text "BLACK" at 3594.92,6546.41 h118.11
  text "6:1 to 8:1 / LEVEL \"B\"" at 5924.86,6448.78 h118.11
  text "D.   SILKSCREEN COLOR :" at 81.14,6428.3 h118.11
  text "X  WHITE" at 1596.89,6428.3 h118.11
  text "YELLOW" at 2246.5,6428.3 h118.11
  text "BLACK" at 2965,6428.3 h118.11
  text "Blue ink PANTONE 2955" at 3594.92,6428.3 h118.11
  text "E.   SURFACE FINISH :" at 81.14,6310.19 h118.11
  text "X  ENIG" at 1596.89,6310.19 h118.11
  text "IMMERSION SILVER" at 2246.5,6310.19 h118.11
  text "IMMERSION TIN" at 3594.92,6310.19 h118.11
  text "MINIMUM PARAMETERS" at 5925.92,6228.27 h118.11
  text "HASL" at 1596.89,6192.08 h118.11
  text "HASL (PB-FREE)" at 2246.5,6192.08 h118.11
  text "GOLDEN FINGER" at 3594.92,6192.08 h118.11
  text "F.   IMPEDANCE CONTROL :" at 81.14,6073.97 h118.11
  text "NO" at 1596.89,6073.97 h118.11
  text "X  YES  (SEE IMPEDANCE TABLE FOR DETAIL INFORMATION)" at 2246.5,6073.97 h118.11
  text "DEFAULT" at 5925.92,6011.73 h118.11
  text "G.   THROUGH VIA :" at 81.14,5955.86 h118.11
  text "PLUG THE VIAS WHICH ARE COVERED WITH SOLDERMASK ONE OR TWO SIDE." at 1596.89,5955.86 h118.11
  text "PLUG MATERIAL :" at 1596.89,5837.75 h118.11
  text "X  SOLDERMASK" at 2600.83,5837.75 h118.11
  text "NON-CONDUCTIVE EPOXY." at 3594.92,5837.75 h118.11
  text "TRACKS : 0.120mm           / GAPS : 0.120mm" at 5925.92,5785.36 h118.11
  text "H.   STACK-UP :" at 81.14,5719.64 h118.11
  text "SEE LAYER STACK-UP SEQUENCE FOR OVERALL THICKNESS." at 1596.89,5719.64 h118.11
  text "Layer" at 3139.41,5306.26 h78.74
  text "Name" at 3468.86,5306.26 h78.74
  text "Material" at 4105.7,5306.26 h78.74
  text "Thickness" at 4678.13,5306.26 h78.74
  text "Constant" at 5148.24,5306.26 h78.74
  text "Board Layer Stack" at 5583.45,5306.26 h78.74
  text "Top Overlay" at 3468.86,5148.78 h78.74
  text "Top Solder" at 3468.86,4991.3 h78.74
  text "Solder Resist" at 4105.7,4991.3 h78.74
  text "0.015mm" at 4678.13,4991.3 h78.74
  text "3.5" at 5148.24,4991.3 h78.74
  text "1" at 3139.41,4833.81 h78.74
  text "Top Layer" at 3468.86,4833.81 h78.74
  text "Copper" at 4105.7,4833.81 h78.74
  text "0.042mm" at 4678.13,4833.81 h78.74
  text "Dielectric 1" at 3468.86,4676.33 h78.74
  text "FR-4" at 4105.7,4676.33 h78.74
  text "0.099mm" at 4678.13,4676.33 h78.74
  text "4.2" at 5148.24,4676.33 h78.74
  text "2" at 3139.33,4518.85 h78.74
  text "Signal Layer 1" at 3468.86,4518.85 h78.74
  text "Copper" at 4105.7,4518.85 h78.74
  text "0.035mm" at 4678.13,4518.85 h78.74
  text "IMPEDANCE TABLE    RD / RX / TD / TX" at 6446.43,4498.99 h118.11
  text "Dielectric 2" at 3468.86,4361.37 h78.74
  text "0.102mm" at 4678.13,4361.37 h78.74
  text "4.2" at 5148.24,4361.37 h78.74
  text "LAYER" at 6613.75,4317.13 h118.11
  text "TRACE" at 7253.52,4317.13 h118.11
  text "SPACING" at 7666.9,4317.13 h118.11
  text "IMPEDANCE" at 8198.4,4317.13 h118.11
  text "IMPEDANCE" at 8867.69,4317.13 h118.11
  text "TOL." at 9605.88,4317.13 h118.11
  text "(mm)" at 7797.81,4219.69 h98.43
  text "(mm)" at 7332.26,4217.72 h98.43
  text "(Single ended)" at 8218.08,4208.86 h98.43
  text "(Differential)" at 8916.9,4208.86 h98.43
  text "3" at 3139.41,4203.89 h78.74
  text "Signal Layer 2" at 3468.86,4203.89 h78.74
  text "Copper" at 4105.7,4203.89 h78.74
  text "0.035mm" at 4678.13,4203.89 h78.74
  text "+/- 15%" at 9568.68,4065.55 h118.11
  text "0.130" at 7291.9,4062.21 h118.11
  text "TOP/BOTTOM" at 6465.33,4060.63 h118.11
  text "0.251" at 7765.33,4061.22 h118.11
  text "n/a" at 8330.49,4058.66 h118.11
  text "100 ohm" at 8963.79,4056.73 h118.11
  text "Dielectric 3" at 3468.86,4046.41 h78.74
  text "0.946mm" at 4678.13,4046.41 h78.74
  text "4.2" at 5148.24,4046.41 h78.74
  text "+/- 15%" at 9568.87,3927.17 h118.11
  text "0.104" at 7292.1,3923.82 h118.11
  text "0.277" at 7765.53,3922.84 h118.11
  text "LAYER 3" at 6541.9,3921.46 h118.11
  text "100 ohm" at 8963.79,3921.73 h118.11
  text "n/a" at 8330.68,3920.28 h118.11
  text "4" at 3139.41,3888.93 h78.74
  text "Signal Layer 3" at 3468.86,3888.93 h78.74
  text "Copper" at 4105.7,3888.93 h78.74
  text "0.035mm" at 4678.13,3888.93 h78.74
  text "Dielectric 4" at 3468.86,3731.45 h78.74
  text "0.102mm" at 4678.13,3731.45 h78.74
  text "4.2" at 5148.24,3731.45 h78.74
  text "5" at 3139.41,3573.97 h78.74
  text "Signal Layer 4" at 3468.86,3573.97 h78.74
  text "Copper" at 4105.7,3573.97 h78.74
  text "0.035mm" at 4678.13,3573.97 h78.74
  text "Dielectric 5" at 3468.86,3416.49 h78.74
  text "0.099mm" at 4678.13,3416.49 h78.74
  text "4.2" at 5148.24,3416.49 h78.74
  text "6" at 3139.41,3259.01 h78.74
  text "Bottom Layer" at 3468.86,3259.01 h78.74
  text "Copper" at 4105.7,3259.01 h78.74
  text "0.042mm" at 4678.13,3259.01 h78.74
  text "Bottom Solder" at 3468.86,3101.53 h78.74
  text "Solder Resist" at 4105.7,3101.53 h78.74
  text "0.015mm" at 4678.13,3101.53 h78.74
  text "3.5" at 5148.24,3101.53 h78.74
  text "Bottom Overlay" at 3468.86,2944.05 h78.74

## Dimensions
78.74,0 to 78.74,5249.61 on M2-Board Dimensions
0,5170.87 to 2755.9,5170.87 on M2-Board Dimensions